# Altium PCB STB_ValidationBoard.PcbDoc (part 3 of 4)
Units mm, origin at the board's own origin, x right, y up, seen from the top; angles counter-clockwise.
Board outline 154 x 150 mm, 4 copper layers (Top Layer, Int1 (Signal), Int2 (GND), Bottom Layer), stack 0.76 mm thick; 235 components, 88 nets, 1220 pads, 302 vias.
Unrouted connection lines stored in the file: 398.
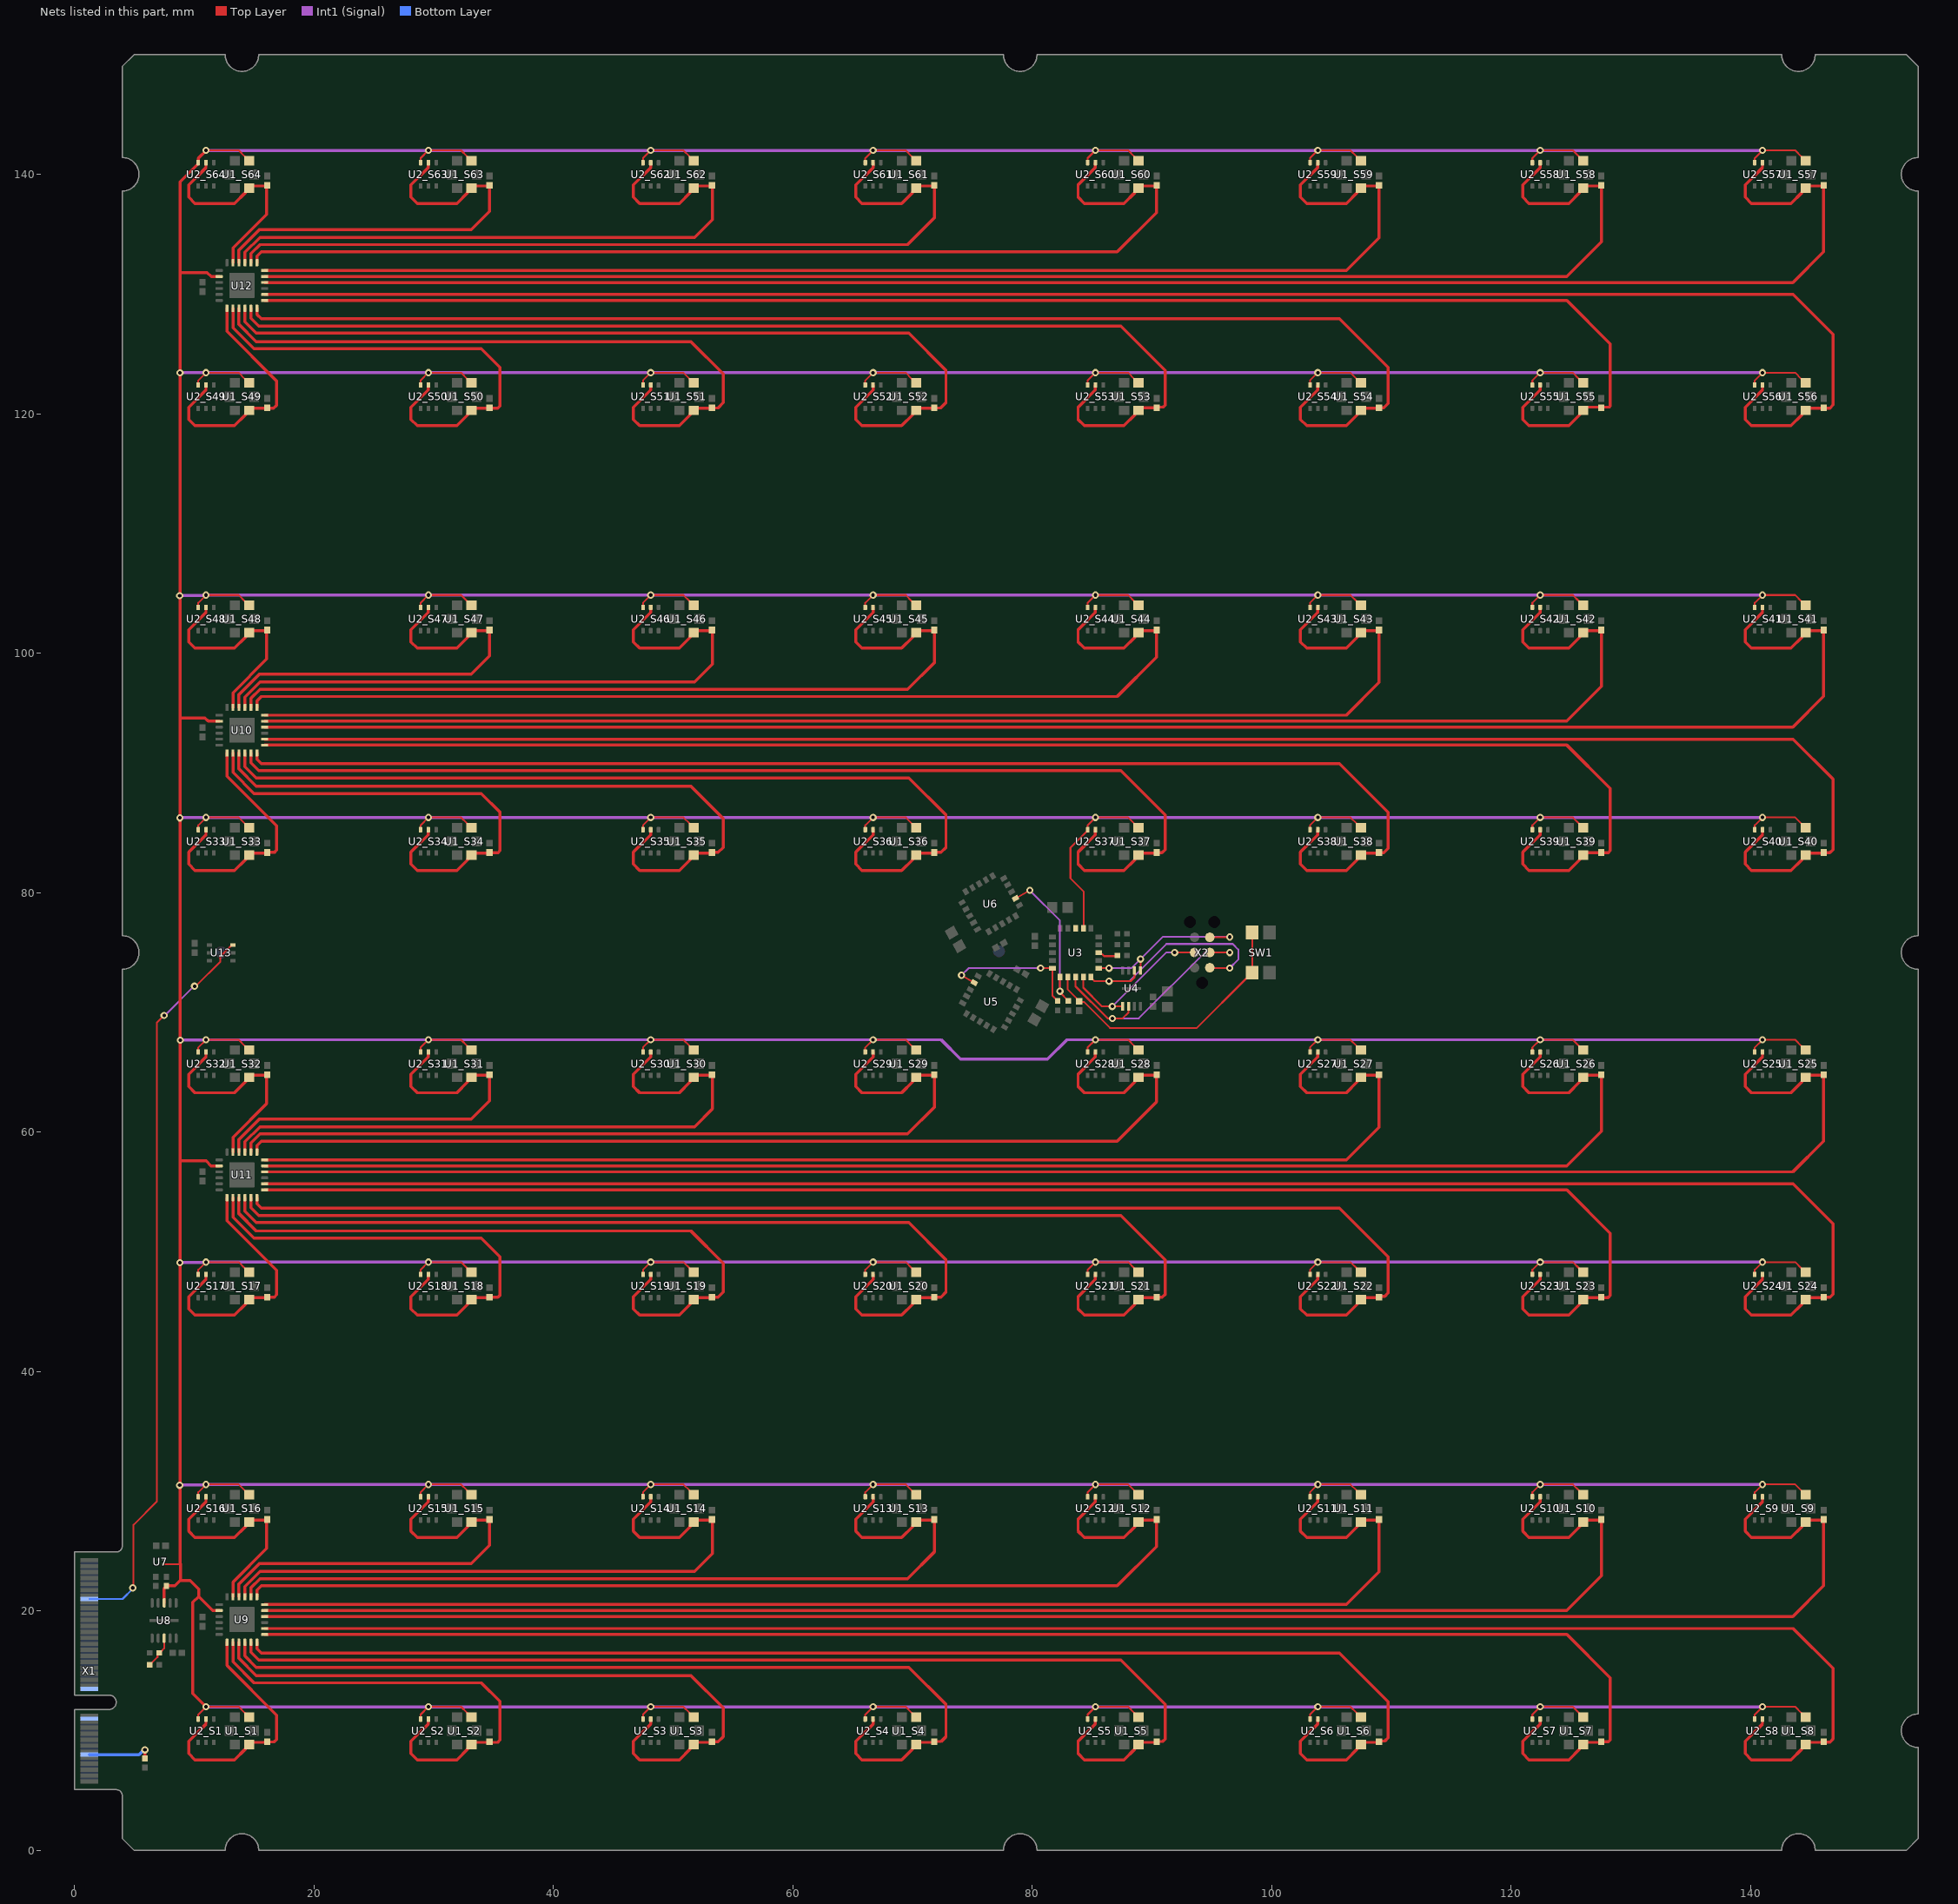
[diagram p5: the nets of this part, all layers, seen from the top]

## Via types
v1: diameter 0.604, hole 0.3, Top Layer to Bottom Layer, tented both sides, 302 vias

## Nets (pads, with @x,y where several pads share a name; then routed paths per layer and width w, separated by ;. In a path a pad name is that pad's centre, name@x,y a point inside that pad or via, vN(x,y) a via of type N, cw(c..) or ccw(c..) an arc to the next point about the centre after c; other vN are vias at no path point) (continued)
I2C_SYS_SDA: R8.1 U1_S1.2 U1_S2.2 U1_S3.2 U1_S4.2 U1_S5.2 U1_S6.2 U1_S7.2 U1_S8.2 U1_S9.2 U1_S10.2 U1_S11.2 U1_S12.2 U1_S13.2 U1_S14.2 U1_S15.2 U1_S16.2 U1_S17.2 U1_S18.2 U1_S19.2 U1_S20.2 U1_S21.2 U1_S22.2 U1_S23.2 U1_S24.2 U1_S25.2 U1_S26.2 U1_S27.2 U1_S28.2 U1_S29.2 U1_S30.2 U1_S31.2 U1_S32.2 U1_S33.2 U1_S34.2 U1_S35.2 U1_S36.2 U1_S37.2 U1_S38.2 U1_S39.2 U1_S40.2 U1_S41.2 U1_S42.2 U1_S43.2 U1_S44.2 U1_S45.2 U1_S46.2 U1_S47.2 U1_S48.2 U1_S49.2 U1_S50.2 U1_S51.2 U1_S52.2 U1_S53.2 U1_S54.2 U1_S55.2 U1_S56.2 U1_S57.2 U1_S58.2 U1_S59.2 U1_S60.2 U1_S61.2 U1_S62.2 U1_S63.2 U1_S64.2 U2_S1.6 U2_S2.6 U2_S3.6 U2_S4.6 U2_S5.6 U2_S6.6 U2_S7.6 U2_S8.6 U2_S9.6 U2_S10.6 U2_S11.6 U2_S12.6 U2_S13.6 U2_S14.6 U2_S15.6 U2_S16.6 U2_S17.6 U2_S18.6 U2_S19.6 U2_S20.6 U2_S21.6 U2_S22.6 U2_S23.6 U2_S24.6 U2_S25.6 U2_S26.6 U2_S27.6 U2_S28.6 U2_S29.6 U2_S30.6 U2_S31.6 U2_S32.6 U2_S33.6 U2_S34.6 U2_S35.6 U2_S36.6 U2_S37.6 U2_S38.6 U2_S39.6 U2_S40.6 U2_S41.6 U2_S42.6 U2_S43.6 U2_S44.6 U2_S45.6 U2_S46.6 U2_S47.6 U2_S48.6 U2_S49.6 U2_S50.6 U2_S51.6 U2_S52.6 U2_S53.6 U2_S54.6 U2_S55.6 U2_S56.6 U2_S57.6 U2_S58.6 U2_S59.6 U2_S60.6 U2_S61.6 U2_S62.6 U2_S63.6 U2_S64.6 U3.12 U7.B2 U8.8 U9.20 U10.20 U11.20 U12.20 | length 1548.3
  Top Layer w0.152: U7.B2@7.4,23.9 8.833,23.9 8.839,23.9 8.876,23.938 ; U2_S1.6@10.35,10.975 10.35,11.35 v1(11,12) 13.728,12 14.251,11.477 14.251,11.464 14.57,11.145 U1_S1.2@14.6,11.145 ; U2_S16.6@10.35,29.546 10.35,29.921 v1(11,30.571) 13.728,30.571 14.251,30.048 14.251,30.035 14.57,29.716 U1_S16.2@14.6,29.716 ; U2_S17.6@10.35,48.118 10.35,48.493 v1(11,49.143) 13.728,49.143 14.251,48.619 14.251,48.607 14.57,48.288 U1_S17.2@14.6,48.288 ; U2_S32.6@10.35,66.689 10.35,67.064 v1(11,67.714) 13.728,67.714 14.251,67.191 14.251,67.178 14.57,66.859 U1_S32.2@14.6,66.859 ; U2_S33.6@10.35,85.261 10.35,85.636 v1(11,86.286) 13.728,86.286 14.251,85.762 14.251,85.75 14.57,85.431 U1_S33.2@14.6,85.431 ; U2_S48.6@10.35,103.832 10.35,104.207 v1(11,104.857) 13.728,104.857 14.251,104.334 14.251,104.321 14.57,104.002 U1_S48.2@14.6,104.002 ; U2_S49.6@10.35,122.403 10.35,122.778 v1(11,123.428) 13.728,123.428 14.251,122.905 14.251,122.892 14.57,122.573 U1_S49.2@14.6,122.573 ; v1(11,142) 13.728,142 14.251,141.476 14.251,141.464 14.57,141.145 U1_S64.2@14.6,141.145 ; U2_S2.6@28.921,10.975 28.921,11.35 v1(29.571,12) 32.299,12 32.822,11.477 32.822,11.464 33.141,11.145 U1_S2.2@33.171,11.145 ; U2_S15.6@28.921,29.546 28.921,29.921 v1(29.571,30.571) 32.299,30.571 32.822,30.048 32.822,30.035 33.141,29.716 U1_S15.2@33.171,29.716 ; U2_S18.6@28.921,48.118 28.921,48.493 v1(29.571,49.143) 32.299,49.143 32.822,48.619 32.822,48.607 33.141,48.288 U1_S18.2@33.171,48.288 ; U2_S31.6@28.921,66.689 28.921,67.064 v1(29.571,67.714) 32.299,67.714 32.822,67.191 32.822,67.178 33.141,66.859 U1_S31.2@33.171,66.859 ; U2_S34.6@28.921,85.261 28.921,85.636 v1(29.571,86.286) 32.299,86.286 32.822,85.762 32.822,85.75 33.141,85.431 U1_S34.2@33.171,85.431 ; U2_S47.6@28.921,103.832 28.921,104.207 v1(29.571,104.857) 32.299,104.857 32.822,104.334 32.822,104.321 33.141,104.002 U1_S47.2@33.171,104.002 ; U2_S50.6@28.921,122.403 28.921,122.778 v1(29.571,123.428) 32.299,123.428 32.822,122.905 32.822,122.892 33.141,122.573 U1_S50.2@33.171,122.573 ; U2_S63.6@28.921,140.975 28.921,141.35 v1(29.571,142) 32.299,142 32.822,141.476 32.822,141.464 33.141,141.145 U1_S63.2@33.171,141.145 ; U2_S3.6@47.493,10.975 47.493,11.35 v1(48.143,12) 50.87,12 51.394,11.477 51.394,11.464 51.713,11.145 U1_S3.2@51.743,11.145 ; U2_S14.6@47.493,29.546 47.493,29.921 v1(48.143,30.571) 50.87,30.571 51.394,30.048 51.394,30.035 51.713,29.716 U1_S14.2@51.743,29.716 ; U2_S19.6@47.493,48.118 47.493,48.493 v1(48.143,49.143) 50.87,49.143 51.394,48.619 51.394,48.607 51.713,48.288 U1_S19.2@51.743,48.288 ; U2_S30.6@47.493,66.689 47.493,67.064 v1(48.143,67.714) 50.87,67.714 51.394,67.191 51.394,67.178 51.713,66.859 U1_S30.2@51.743,66.859 ; U2_S35.6@47.493,85.261 47.493,85.636 v1(48.143,86.286) 50.87,86.286 51.394,85.762 51.394,85.75 51.713,85.431 U1_S35.2@51.743,85.431 ; U2_S46.6@47.493,103.832 47.493,104.207 v1(48.143,104.857) 50.87,104.857 51.394,104.334 51.394,104.321 51.713,104.002 U1_S46.2@51.743,104.002 ; U2_S51.6@47.493,122.403 47.493,122.778 v1(48.143,123.428) 50.87,123.428 51.394,122.905 51.394,122.892 51.713,122.573 U1_S51.2@51.743,122.573 ; U2_S62.6@47.493,140.975 47.493,141.35 v1(48.143,142) 50.87,142 51.394,141.476 51.394,141.464 51.713,141.145 U1_S62.2@51.743,141.145 ; U2_S4.6@66.064,10.975 66.064,11.35 v1(66.714,12) 69.442,12 69.965,11.477 69.965,11.464 70.284,11.145 U1_S4.2@70.314,11.145 ; U2_S13.6@66.064,29.546 66.064,29.921 v1(66.714,30.571) 69.442,30.571 69.965,30.048 69.965,30.035 70.284,29.716 U1_S13.2@70.314,29.716 ; U2_S20.6@66.064,48.118 66.064,48.493 v1(66.714,49.143) 69.442,49.143 69.965,48.619 69.965,48.607 70.284,48.288 U1_S20.2@70.314,48.288 ; U2_S29.6@66.064,66.689 66.064,67.064 v1(66.714,67.714) 69.442,67.714 69.965,67.191 69.965,67.178 70.284,66.859 U1_S29.2@70.314,66.859 ; U2_S36.6@66.064,85.261 66.064,85.636 v1(66.714,86.286) 69.442,86.286 69.965,85.762 69.965,85.75 70.284,85.431 U1_S36.2@70.314,85.431 ; U2_S45.6@66.064,103.832 66.064,104.207 v1(66.714,104.857) 69.442,104.857 69.965,104.334 69.965,104.321 70.284,104.002 U1_S45.2@70.314,104.002 ; U2_S52.6@66.064,122.403 66.064,122.778 v1(66.714,123.428) 69.442,123.428 69.965,122.905 69.965,122.892 70.284,122.573 U1_S52.2@70.314,122.573 ; U2_S61.6@66.064,140.975 66.064,141.35 v1(66.714,142) 69.442,142 69.965,141.476 69.965,141.464 70.284,141.145 U1_S61.2@70.314,141.145 ; U3.12@84.271,77.014 84.3,77.213 84.3,80.1 83.2,81.2 83.2,83.75 84.636,85.186 U2_S37.6@84.636,85.261 84.636,85.636 v1(85.286,86.286) 88.013,86.286 88.537,85.762 88.537,85.75 88.856,85.431 U1_S37.2@88.886,85.431 ; U2_S5.6@84.636,10.975 84.636,11.35 v1(85.286,12) 88.013,12 88.537,11.477 88.537,11.464 88.856,11.145 U1_S5.2@88.886,11.145 ; U2_S12.6@84.636,29.546 84.636,29.921 v1(85.286,30.571) 88.013,30.571 88.537,30.048 88.537,30.035 88.856,29.716 U1_S12.2@88.886,29.716 ; U2_S21.6@84.636,48.118 84.636,48.493 v1(85.286,49.143) 88.013,49.143 88.537,48.619 88.537,48.607 88.856,48.288 U1_S21.2@88.886,48.288 ; U2_S28.6@84.636,66.689 84.636,67.064 v1(85.286,67.714) 88.013,67.714 88.537,67.191 88.537,67.178 88.856,66.859 U1_S28.2@88.886,66.859 ; U2_S44.6@84.636,103.832 84.636,104.207 v1(85.286,104.857) 88.013,104.857 88.537,104.334 88.537,104.321 88.856,104.002 U1_S44.2@88.886,104.002 ; U2_S53.6@84.636,122.403 84.636,122.778 v1(85.286,123.428) 88.013,123.428 88.537,122.905 88.537,122.892 88.856,122.573 U1_S53.2@88.886,122.573 ; U2_S60.6@84.636,140.975 84.636,141.35 v1(85.286,142) 88.013,142 88.537,141.476 88.537,141.464 88.856,141.145 U1_S60.2@88.886,141.145 ; U2_S6.6@103.207,10.975 103.207,11.35 v1(103.857,12) 106.585,12 107.108,11.477 107.108,11.464 107.427,11.145 U1_S6.2@107.457,11.145 ; U2_S11.6@103.207,29.546 103.207,29.921 v1(103.857,30.571) 106.585,30.571 107.108,30.048 107.108,30.035 107.427,29.716 U1_S11.2@107.457,29.716 ; U2_S22.6@103.207,48.118 103.207,48.493 v1(103.857,49.143) 106.585,49.143 107.108,48.619 107.108,48.607 107.427,48.288 U1_S22.2@107.457,48.288 ; U2_S27.6@103.207,66.689 103.207,67.064 v1(103.857,67.714) 106.585,67.714 107.108,67.191 107.108,67.178 107.427,66.859 U1_S27.2@107.457,66.859 ; U2_S38.6@103.207,85.261 103.207,85.636 v1(103.857,86.286) 106.585,86.286 107.108,85.762 107.108,85.75 107.427,85.431 U1_S38.2@107.457,85.431 ; U2_S43.6@103.207,103.832 103.207,104.207 v1(103.857,104.857) 106.585,104.857 107.108,104.334 107.108,104.321 107.427,104.002 U1_S43.2@107.457,104.002 ; U2_S54.6@103.207,122.403 103.207,122.778 v1(103.857,123.428) 106.585,123.428 107.108,122.905 107.108,122.892 107.427,122.573 U1_S54.2@107.457,122.573 ; U2_S59.6@103.207,140.975 103.207,141.35 v1(103.857,142) 106.585,142 107.108,141.476 107.108,141.464 107.427,141.145 U1_S59.2@107.457,141.145 ; U2_S7.6@121.778,10.975 121.778,11.35 v1(122.428,12) 125.156,12 125.679,11.477 125.679,11.464 125.998,11.145 U1_S7.2@126.028,11.145 ; U2_S10.6@121.778,29.546 121.778,29.921 v1(122.428,30.571) 125.156,30.571 125.679,30.048 125.679,30.035 125.998,29.716 U1_S10.2@126.028,29.716 ; U2_S23.6@121.778,48.118 121.778,48.493 v1(122.428,49.143) 125.156,49.143 125.679,48.619 125.679,48.607 125.998,48.288 U1_S23.2@126.028,48.288 ; U2_S26.6@121.778,66.689 121.778,67.064 v1(122.428,67.714) 125.156,67.714 125.679,67.191 125.679,67.178 125.998,66.859 U1_S26.2@126.028,66.859 ; U2_S39.6@121.778,85.261 121.778,85.636 v1(122.428,86.286) 125.156,86.286 125.679,85.762 125.679,85.75 125.998,85.431 U1_S39.2@126.028,85.431 ; U2_S42.6@121.778,103.832 121.778,104.207 v1(122.428,104.857) 125.156,104.857 125.679,104.334 125.679,104.321 125.998,104.002 U1_S42.2@126.028,104.002 ; U2_S55.6@121.778,122.403 121.778,122.778 v1(122.428,123.428) 125.156,123.428 125.679,122.905 125.679,122.892 125.998,122.573 U1_S55.2@126.028,122.573 ; U2_S58.6@121.778,140.975 121.778,141.35 v1(122.428,142) 125.156,142 125.679,141.476 125.679,141.464 125.998,141.145 U1_S58.2@126.028,141.145 ; U2_S8.6@140.35,10.975 140.35,11.35 v1(141,12) 143.727,12 144.251,11.477 144.251,11.464 144.57,11.145 U1_S8.2@144.6,11.145 ; U2_S9.6@140.35,29.546 140.35,29.921 v1(141,30.571) 143.727,30.571 144.251,30.048 144.251,30.035 144.57,29.716 U1_S9.2@144.6,29.716 ; U2_S24.6@140.35,48.118 140.35,48.493 v1(141,49.143) 143.727,49.143 144.251,48.619 144.251,48.607 144.57,48.288 U1_S24.2@144.6,48.288 ; U2_S25.6@140.35,66.689 140.35,67.064 v1(141,67.714) 143.727,67.714 144.251,67.191 144.251,67.178 144.57,66.859 U1_S25.2@144.6,66.859 ; U2_S40.6@140.35,85.261 140.35,85.636 v1(141,86.286) 143.727,86.286 144.251,85.762 144.251,85.75 144.57,85.431 U1_S40.2@144.6,85.431 ; U2_S41.6@140.35,103.832 140.35,104.207 v1(141,104.857) 143.727,104.857 144.251,104.334 144.251,104.321 144.57,104.002 U1_S41.2@144.6,104.002 ; U2_S56.6@140.35,122.403 140.35,122.778 v1(141,123.428) 143.727,123.428 144.251,122.905 144.251,122.892 144.57,122.573 U1_S56.2@144.6,122.573 ; U2_S57.6@140.35,140.975 140.35,141.35 v1(141,142) 143.727,142 144.251,141.476 144.251,141.464 144.57,141.145 U1_S57.2@144.6,141.145
  Top Layer w0.25: U8.8@7.5,20.675 7.5,21.875 7.7,22.075 R8.1@7.7,22.1 8.4,22.1 8.833,22.533 9.667,22.533 10.388,21.812 10.388,21.212 ; 8.833,23.9 8.833,30.5 8.833,49.088 8.833,57.6 ; 8.876,22.533 8.876,23.938 ; 8.98,131.8 11.1,131.8 11.436,131.464 U12.20@12.1,131.464 ; v1(11,12) 9.9,13.1 9.9,20.725 10.388,21.212 ; v1(11,142) 10.35,141.35 U2_S64.6@10.35,140.975 10.35,140.9 8.833,139.383 8.833,94.7 ; U9.20@12.1,20.036 12.095,20.041 11.559,20.041 10.388,21.212 ; U11.20@12.1,57.178 11.425,57.178 11.003,57.6 8.833,57.6 ; U10.20@12.1,94.321 11.179,94.321 10.9,94.6 8.933,94.6 8.833,94.7 ; 8.833,57.6 8.833,94.7
  Int1 (Signal) w0.25: v1(8.8,30.5) 8.836,30.536 10.964,30.536 v1(11,30.571) v1(29.571,30.571) v1(48.143,30.571) v1(66.714,30.571) v1(85.286,30.571) v1(103.857,30.571) v1(122.428,30.571) v1(141,30.571) ; v1(8.8,104.8) 8.828,104.829 10.971,104.829 v1(11,104.857) v1(29.571,104.857) v1(48.143,104.857) v1(66.714,104.857) v1(85.286,104.857) v1(103.857,104.857) v1(122.428,104.857) v1(141,104.857) ; v1(8.814,49.088) 8.842,49.116 10.973,49.116 v1(11,49.143) v1(29.571,49.143) v1(48.143,49.143) v1(66.714,49.143) v1(103.857,49.143) v1(141,49.143) ; v1(8.814,86.248) 8.833,86.267 10.981,86.267 v1(11,86.286) v1(29.571,86.286) v1(66.714,86.286) v1(85.286,86.286) v1(103.857,86.286) v1(122.428,86.286) v1(141,86.286) ; v1(8.829,123.42) 8.833,123.424 10.996,123.424 v1(11,123.428) v1(29.571,123.428) v1(48.143,123.428) v1(66.714,123.428) v1(85.286,123.428) v1(103.857,123.428) v1(122.428,123.428) v1(141,123.428) ; v1(8.85,67.677) 8.868,67.696 10.982,67.696 v1(11,67.714) v1(29.571,67.714) v1(48.143,67.714) 72.4,67.714 74.014,66.1 81.286,66.1 82.9,67.714 v1(141,67.714) ; v1(11,12) v1(29.571,12) v1(48.143,12) v1(66.714,12) v1(85.286,12) v1(103.857,12) v1(122.428,12) v1(141,12) ; v1(11,142) v1(29.571,142) v1(48.143,142) v1(66.714,142) v1(85.286,142) v1(103.857,142) v1(122.428,142) v1(141,142)
INT_AS7265x: U3.13
INT_TMP: U13.3 X1.62 | length 61.4
  Top Layer w0.152: v1(4.875,21.933) 4.946,22.003 4.946,27.194 6.892,29.141 6.892,69.144 v1(7.497,69.749) ; v1(10.04,72.183) 10.139,72.183 12.188,74.232 12.188,74.652 13.164,75.628 U13.3@13.239,75.628
  Int1 (Signal) w0.152: v1(7.497,69.749) 7.552,69.749 9.985,72.183 v1(10.04,72.183)
  Bottom Layer w0.152: X1.62@1.25,21 4.031,21 4.875,21.844 v1(4.875,21.933)
NetR1_1: R1.1 U3.8 | length 1.7
  Top Layer w0.152: U3.8@85.546,74.989 85.67,74.865 85.846,74.865 86.012,74.699 87.055,74.699 R1.1@87.121,74.764
NetR9_2: R9.2 R10.2 U8.3 | length 2.7
  Top Layer w0.152: R9.2@6.3,15.5 6.951,16.151 6.951,16.351 R10.2@7.1,16.5 ; R10.2@7.2,16.5 7.2,16.6 7.249,16.649 7.274,16.649 7.5,16.875 U8.3@7.5,17.725
SLV1_nRES: R2.1 U3.1 U6.2 | length 13.1
  Top Layer w0.152: U6.2@78.616,79.517 78.789,79.616 v1(79.8,80.2) ; U3.1@82.321,72.964 v1(82.321,71.764) 82.321,71.664 R2.1@83.021,70.964
  Int1 (Signal) w0.152: v1(79.8,80.2) 82.321,77.679 v1(82.321,71.764)
SLV2_nRES: R3.1 U3.20 U5.2 | length 12
  Top Layer w0.152: v1(74.1,73.1) 75.002,72.579 U5.2@75.171,72.475 ; v1(80.7,73.7) 81.497,73.7 U3.20@81.696,73.689 81.696,71.389 R3.1@82.121,70.964
  Int1 (Signal) w0.152: v1(74.1,73.1) 74.7,73.7 v1(80.7,73.7)
SPEC_nRES: C17.2 SW1.1 SW1.3 U3.2 | length 23.1
  Top Layer w0.152: U3.2@82.971,72.964 82.971,71.914 C17.2@83.921,70.964 ; C17.2@83.921,70.917 83.958,70.879 84.319,70.879 86.499,68.7 93.75,68.7 97.876,72.826 97.926,72.826 98.375,73.275 SW1.1@98.375,73.325 SW1.3@98.375,76.675
SPI_SPEC_MISO: U3.5 U4.2 X2.1 | length 20.1
  Top Layer w0.152: U3.5@85.035,72.777 85.035,72.775 85.045,72.765 85.047,72.765 85.212,72.6 v1(86.421,72.6) 88.225,72.6 88.55,72.925 U4.2@88.55,73.5 ; X2.1@94.835,73.73 94.85,73.715 96.485,73.715 v1(96.5,73.7)
  Int1 (Signal) w0.152: v1(86.421,72.6) 88.1,72.6 91.214,75.714 96.75,75.714 97.221,75.243 97.221,74.421 v1(96.5,73.7)
SPI_SPEC_MOSI: U3.4 U4.5 X2.4 | length 13.6
  Top Layer w0.152: U3.4@84.271,72.964 84.271,72.063 85.834,70.5 v1(86.692,70.5) U4.5@87.55,70.5 ; v1(91.9,75) X2.4@93.565,75
  Int1 (Signal) w0.152: v1(86.692,70.5) 91.192,75 v1(91.9,75)
SPI_SPEC_nCS: U3.6 U4.1 X2.5 | length 14.8
  Top Layer w0.152: U3.6@85.546,73.689 v1(86.421,73.689) v1@86.589,73.689 ; U4.1@89.05,73.5 v1(89.05,74.45) ; X2.5@94.835,76.27 94.85,76.285 96.485,76.285 v1(96.5,76.3)
  Int1 (Signal) w0.152: v1(86.421,73.689) 88.289,73.689 v1(89.05,74.45) 90.9,76.3 v1(96.5,76.3)
SPI_SPEC_SCK: U3.3 U4.6 X2.3 | length 20.8
  Top Layer w0.152: U3.3@83.621,72.964 83.621,72.179 86.303,69.497 v1(86.7,69.497) 87.552,69.497 88.05,69.995 U4.6@88.05,70.5 ; X2.3@94.835,75 v1(96.5,75)
  Int1 (Signal) w0.152: v1(86.7,69.497) 88.897,69.497 94.4,75 v1(96.5,75)
UART_RX: X1.32
UART_TX: X1.22
V_DUT: R11.1 X1.10 | length 5.5
  Top Layer w0.25: R11.1@5.9,7.675 v1(5.9,8.4)
  Bottom Layer w0.25: X1.10@1.25,8 5.404,8 5.804,8.4 v1(5.9,8.4)
VDD1: C1_S1.2 U1_S1.6 U2_S1.5 U9.1 | length 21.6
  Top Layer w0.25: U2_S1.5@10.996,10.971 10.996,10.554 9.548,9.106 9.548,8.094 10.073,7.569 13.386,7.569 14.3,8.483 14.3,8.585 14.57,8.855 U1_S1.6@14.6,8.855 14.771,9.026 15.835,9.026 ; U9.1@12.75,17.386 12.75,15.45 16.893,11.307 16.893,9.27 16.688,9.065 16.11,9.065 C1_S1.2@15.873,9.065
VDD2: C1_S2.2 U1_S2.6 U2_S2.5 U9.2 | length 40.4
  Top Layer w0.25: U9.2@13.25,17.386 13.25,15.75 15,14 34,14 35.553,12.447 35.553,9.227 35.352,9.026 34.681,9.026 33.343,9.026 U1_S2.6@33.171,8.855 33.141,8.855 32.871,8.585 32.871,8.483 31.958,7.569 28.645,7.569 28.12,8.094 28.12,9.106 29.567,10.554 U2_S2.5@29.567,10.971
VDD3: C1_S3.2 U1_S3.6 U2_S3.5 U9.3 | length 58
  Top Layer w0.25: U9.3@13.75,17.386 13.75,16.05 15.2,14.6 51.5,14.6 54.2,11.9 54.2,9.5 53.776,9.076 C1_S3.2@53.252,9.076 53.202,9.026 51.914,9.026 U1_S3.6@51.743,8.855 51.713,8.855 51.443,8.585 51.443,8.483 50.529,7.569 47.216,7.569 46.691,8.094 46.691,9.106 48.138,10.554 U2_S3.5@48.138,10.971
VDD4: C1_S4.2 U1_S4.6 U2_S4.5 U9.4 | length 76.2
  Top Layer w0.25: U9.4@14.25,17.386 14.25,16.25 15.2,15.3 69.7,15.3 72.8,12.2 72.8,9.5 72.4,9.1 71.847,9.1 C1_S4.2@71.824,9.076 71.774,9.026 70.486,9.026 U1_S4.6@70.314,8.855 70.284,8.855 70.014,8.585 70.014,8.483 69.101,7.569 65.787,7.569 65.263,8.094 65.263,9.106 66.71,10.554 U2_S4.5@66.71,10.971
VDD5: C1_S5.2 U1_S5.6 U2_S5.5 U9.5 | length 93.6
  Top Layer w0.25: U9.5@14.75,17.386 14.75,16.55 15.4,15.9 87.4,15.9 91.1,12.2 91.1,9.3 90.9,9.1 90.419,9.1 C1_S5.2@90.395,9.076 90.345,9.026 89.057,9.026 U1_S5.6@88.886,8.855 88.856,8.855 88.586,8.585 88.586,8.483 87.672,7.569 84.359,7.569 83.834,8.094 83.834,9.106 85.281,10.554 U2_S5.5@85.281,10.971
VDD6: C1_S6.2 U1_S6.6 U2_S6.5 U9.6 | length 111.7
  Top Layer w0.25: U9.6@15.25,17.386 15.255,17.381 15.255,16.857 15.612,16.5 105.672,16.5 109.739,12.432 109.739,9.422 109.455,9.138 109.047,9.138 C1_S6.2@108.976,9.067 ; U2_S6.5@103.853,10.971 103.853,10.554 102.405,9.106 102.405,8.094 102.93,7.569 106.243,7.569 107.157,8.483 107.157,8.585 107.427,8.855 U1_S6.6@107.457,8.855 107.628,9.026 108.917,9.026 C1_S6.2@108.967,9.076
VDD7: C1_S7.2 U1_S7.6 U2_S7.5 U9.7 | length 130.8
  Top Layer w0.25: U9.7@15.9,18.036 124.664,18.036 128.288,14.412 128.288,9.223 128.142,9.076 C1_S7.2@127.538,9.076 127.488,9.026 126.2,9.026 U1_S7.6@126.028,8.855 125.998,8.855 125.728,8.585 125.728,8.483 124.815,7.569 121.502,7.569 120.977,8.094 120.977,9.106 122.424,10.554 U2_S7.5@122.424,10.971
VDD8: C1_S8.2 U1_S8.6 U2_S8.5 U9.8 | length 150.1
  Top Layer w0.25: U9.8@15.9,18.536 143.564,18.536 146.9,15.2 146.9,9.316 146.639,9.055 145.863,9.055 145.834,9.026 144.771,9.026 U1_S8.6@144.6,8.855 144.57,8.855 144.3,8.585 144.3,8.483 143.386,7.569 140.073,7.569 139.548,8.094 139.548,9.106 140.995,10.554 U2_S8.5@140.995,10.971
VDD9: C1_S9.2 U1_S9.6 U2_S9.5 U9.10 | length 147.8
  Top Layer w0.25: U9.10@15.9,19.536 143.536,19.536 146.109,22.109 C1_S9.2@146.109,27.648 146.059,27.598 144.771,27.598 U1_S9.6@144.6,27.426 144.57,27.426 144.3,27.156 144.3,27.054 143.386,26.14 140.073,26.14 139.548,26.665 139.548,27.678 140.995,29.125 U2_S9.5@140.995,29.542
VDD10: C1_S10.2 U1_S10.6 U2_S10.5 U9.11 | length 128.5
  Top Layer w0.25: U9.11@15.9,20.036 124.636,20.036 127.538,22.938 C1_S10.2@127.538,27.648 127.488,27.598 126.2,27.598 U1_S10.6@126.028,27.426 125.998,27.426 125.728,27.156 125.728,27.054 124.815,26.14 121.502,26.14 120.977,26.665 120.977,27.678 122.424,29.125 U2_S10.5@122.424,29.542
VDD11: C1_S11.2 U1_S11.6 U2_S11.5 U9.12 | length 109.5
  Top Layer w0.25: U9.12@15.9,20.536 106.236,20.536 108.967,23.267 C1_S11.2@108.967,27.648 108.917,27.598 107.628,27.598 U1_S11.6@107.457,27.426 107.427,27.426 107.157,27.156 107.157,27.054 106.243,26.14 102.93,26.14 102.405,26.665 102.405,27.678 103.853,29.125 U2_S11.5@103.853,29.542
VDD12: C1_S12.2 U1_S12.6 U2_S12.5 U9.13 | length 90.4
  Top Layer w0.25: U9.13@15.25,21.186 15.25,21.733 15.617,22.1 87.1,22.1 90.38,25.381 C1_S12.2@90.38,27.633 ; U2_S12.5@85.281,29.542 85.281,29.125 83.834,27.678 83.834,26.665 84.359,26.14 87.672,26.14 88.586,27.054 88.586,27.156 88.856,27.426 U1_S12.6@88.886,27.426 89.057,27.598 90.345,27.598 C1_S12.2@90.395,27.648
VDD13: C1_S13.2 U1_S13.6 U2_S13.5 U9.14 | length 72.7
  Top Layer w0.25: U9.14@14.75,21.186 14.75,21.95 15.5,22.7 69.6,22.7 71.824,24.924 C1_S13.2@71.824,27.648 71.774,27.598 70.486,27.598 U1_S13.6@70.314,27.426 70.284,27.426 70.014,27.156 70.014,27.054 69.101,26.14 65.787,26.14 65.263,26.665 65.263,27.678 66.71,29.125 U2_S13.5@66.71,29.542
VDD14: C1_S14.2 U1_S14.6 U2_S14.5 U9.15 | length 54.9
  Top Layer w0.25: U9.15@14.25,21.186 14.25,22.05 15.5,23.3 51.8,23.3 53.3,24.8 53.3,27.6 C1_S14.2@53.252,27.648 53.202,27.598 51.914,27.598 U1_S14.6@51.743,27.426 51.713,27.426 51.443,27.156 51.443,27.054 50.529,26.14 47.216,26.14 46.691,26.665 46.691,27.678 48.138,29.125 U2_S14.5@48.138,29.542
VDD15: C1_S15.2 U1_S15.6 U2_S15.5 U9.16 | length 36.4
  Top Layer w0.25: U9.16@13.75,21.186 13.75,22.25 15.456,23.956 33.156,23.956 34.681,25.481 C1_S15.2@34.681,27.648 34.631,27.598 33.343,27.598 U1_S15.6@33.171,27.426 33.141,27.426 32.871,27.156 32.871,27.054 31.958,26.14 28.645,26.14 28.12,26.665 28.12,27.678 29.567,29.125 U2_S15.5@29.567,29.542
VDD16: C1_S16.2 U1_S16.6 U2_S16.5 U9.17 | length 18.5
  Top Layer w0.25: U2_S16.5@10.996,29.542 10.996,29.125 9.548,27.678 9.548,26.665 10.073,26.14 13.386,26.14 14.3,27.054 14.3,27.156 14.57,27.426 U1_S16.6@14.6,27.426 14.771,27.598 C1_S16.2@16.06,27.598 ; U9.17@13.25,21.186 13.25,22.418 16.069,25.237 16.069,27.607 C1_S16.2@16.11,27.648